# EAGLE board working (EAGLE 6.6.0), part 2 of 2
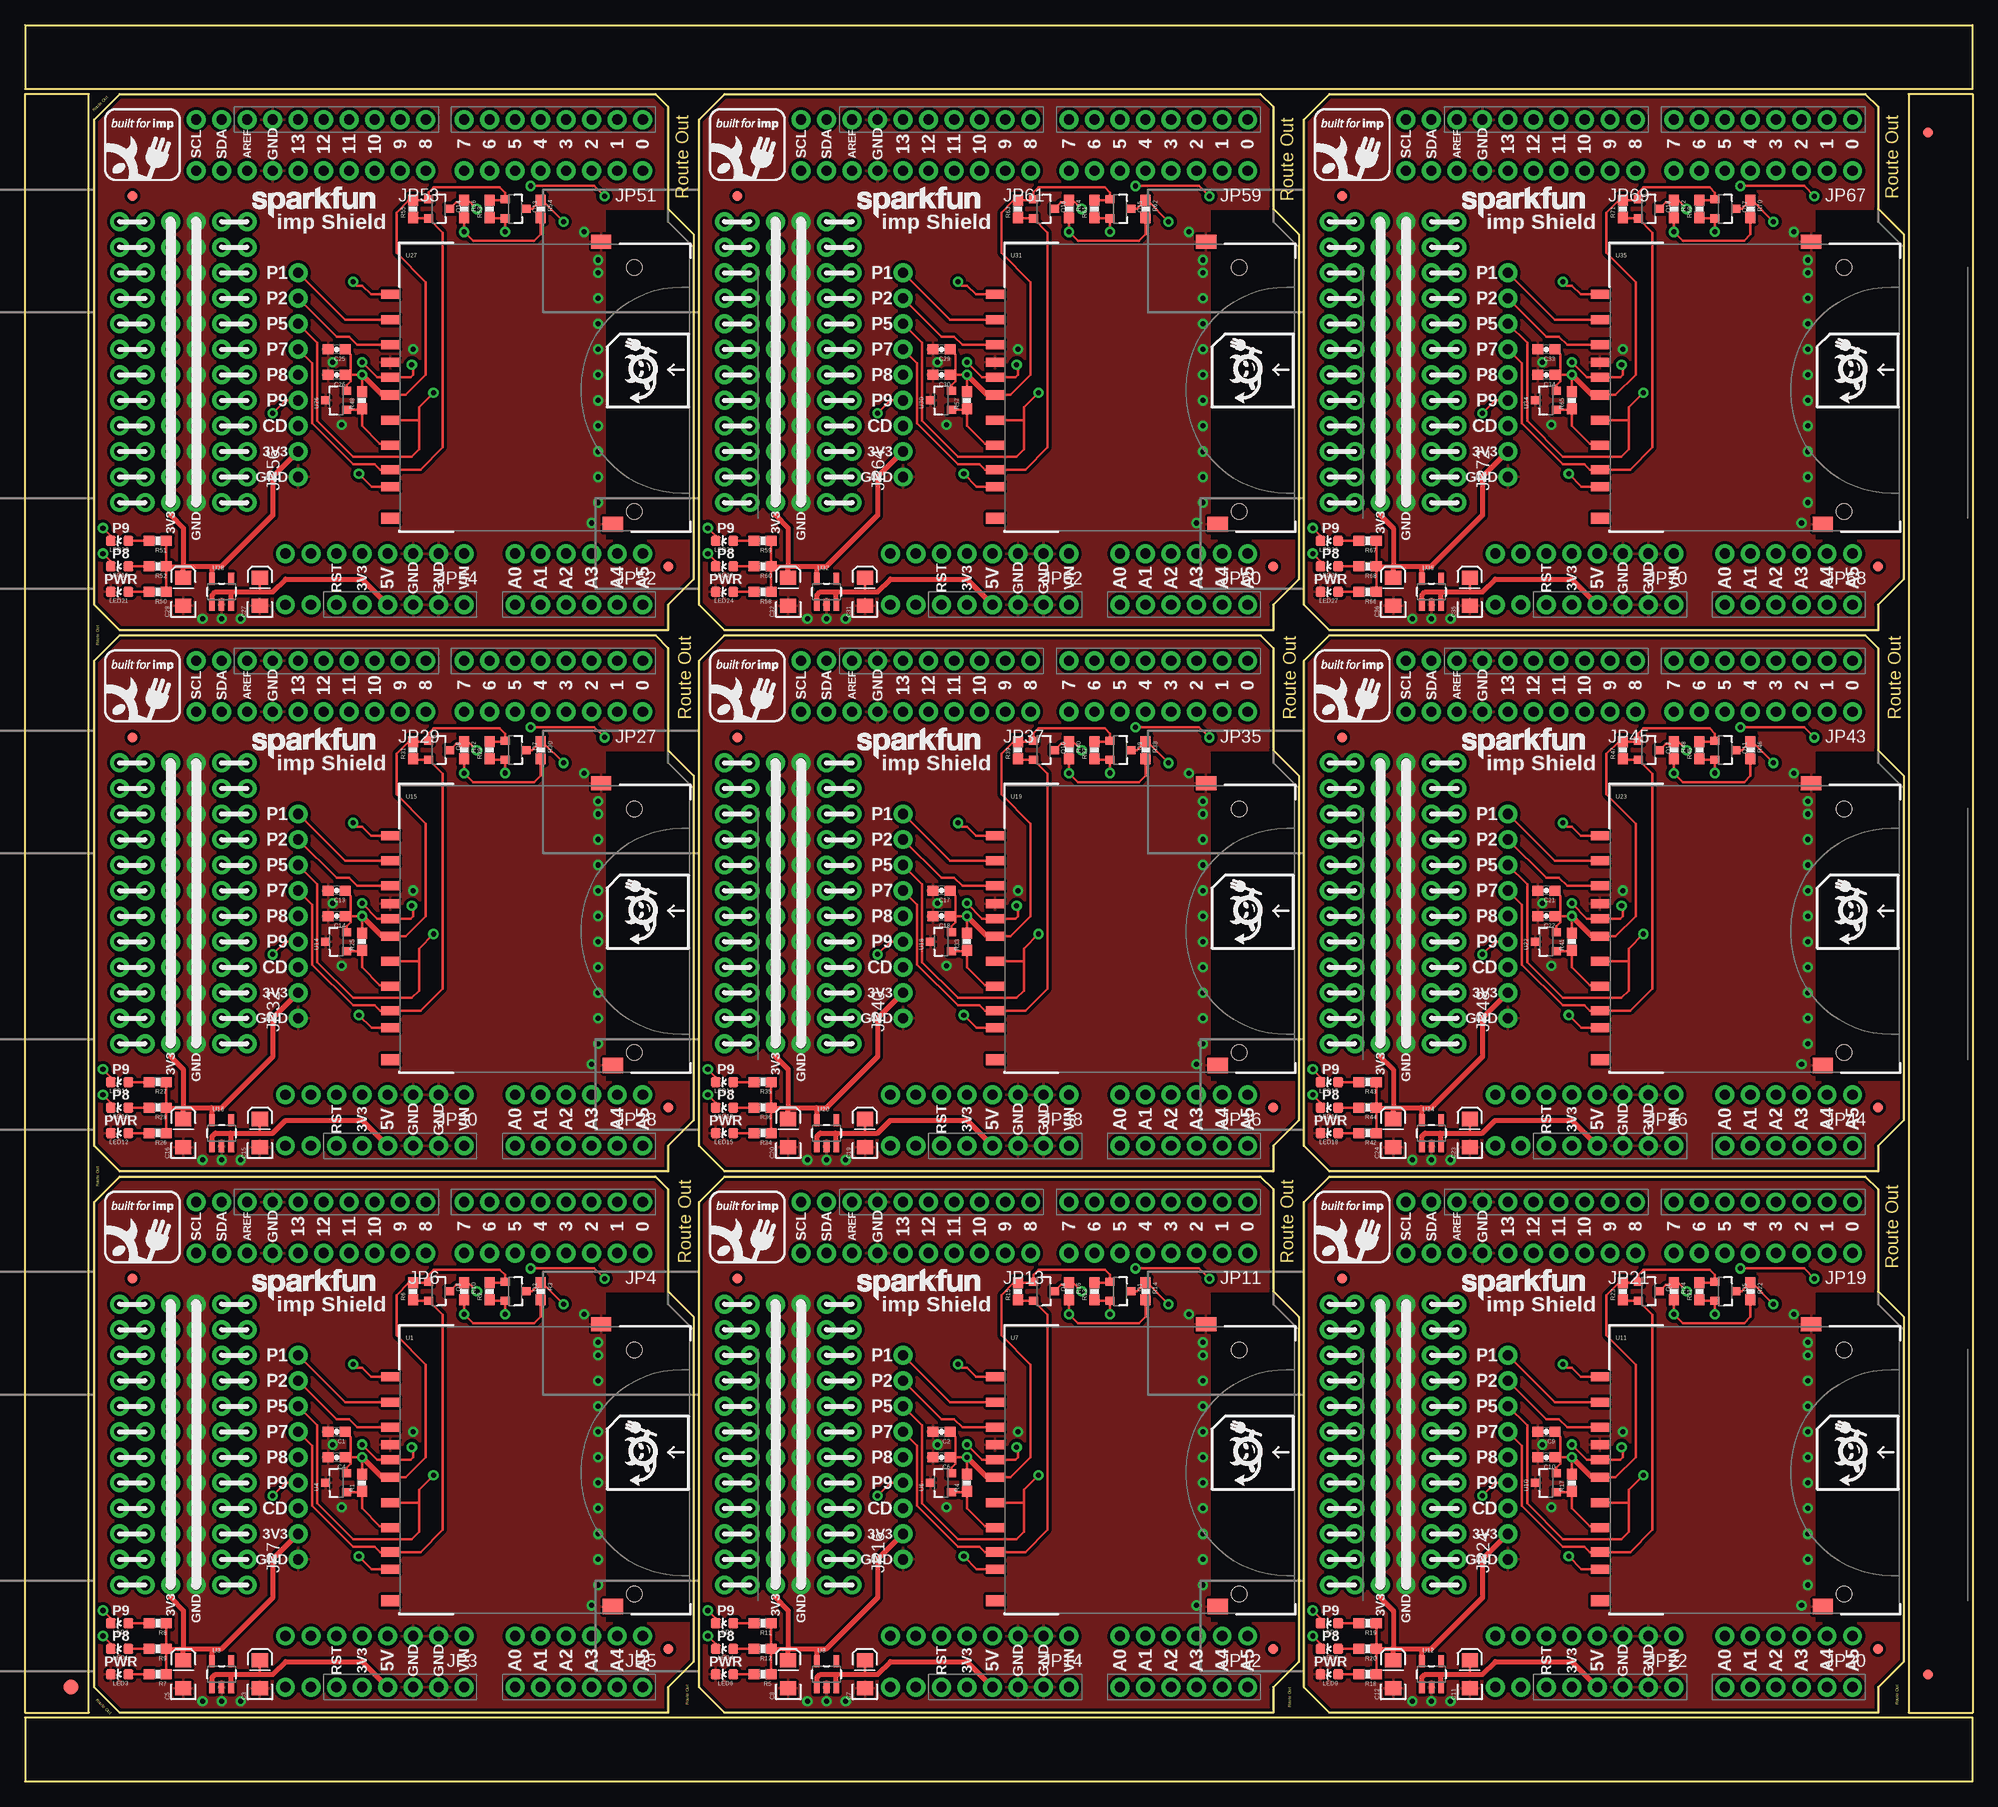
[diagram p0: board, top side]
## Tracks (layer width: path | path; a pad name or v marks a point on that pad's centre or on a via) (continued)
D41 (continued)
  Bottom 0.254: SJ11.3 181.48,50.93 181.86,51.31 JP19.1
  Bottom 0.406: JP19.1 U9.RX
D42
  Bottom 0.406: JP27.3 U13.D2
D43
  Bottom 0.406: JP27.4 U13.D3
D44
  Bottom 0.406: JP27.5 U13.D4
D45
  Bottom 0.406: JP27.6 U13.D5
D46
  Bottom 0.406: JP27.7 U13.D6
D47
  Bottom 0.406: JP27.8 U13.D7
D48  (via drill 0.51)
  Top 0.254: v50.29,104.9 56.64,104.9 v57.66,103.89
  Bottom 0.254: v50.29,104.9 41.4,104.9 JP29.1 | SJ16.1 v57.66,103.89
  Bottom 0.406: U13.D8 JP29.1
D49
  Bottom 0.254: SJ17.1 39.88,103.89 JP29.2
  Bottom 0.406: JP29.2 U13.D9
D50
  Bottom 0.406: JP29.3 U13.D10
D51
  Bottom 0.406: JP29.4 U13.D11
D52
  Bottom 0.406: JP29.5 U13.D12
D53
  Bottom 0.406: JP29.6 U13.D13
D54
  Bottom 0.254: SJ17.3 56.01,104.78 56.39,105.16 57.66,105.16 JP27.2
  Bottom 0.406: JP27.2 U13.TX
D55
  Bottom 0.254: SJ16.3 61.09,104.78 61.47,105.16 JP27.1
  Bottom 0.406: JP27.1 U13.RX
D56
  Bottom 0.406: JP35.3 U17.D2
D57
  Bottom 0.406: JP35.4 U17.D3
D58
  Bottom 0.406: JP35.5 U17.D4
D59
  Bottom 0.406: JP35.6 U17.D5
D60
  Bottom 0.406: JP35.7 U17.D6
D61
  Bottom 0.406: JP35.8 U17.D7
D62  (via drill 0.51)
  Top 0.254: v110.49,104.9 116.84,104.9 v117.86,103.89
  Bottom 0.254: v110.49,104.9 101.6,104.9 JP37.1 | SJ21.1 v117.86,103.89
  Bottom 0.406: U17.D8 JP37.1
D63
  Bottom 0.254: SJ22.1 100.08,103.89 JP37.2
  Bottom 0.406: JP37.2 U17.D9
D64
  Bottom 0.406: JP37.3 U17.D10
D65
  Bottom 0.406: JP37.4 U17.D11
D66
  Bottom 0.406: JP37.5 U17.D12
D67
  Bottom 0.406: JP37.6 U17.D13
D68
  Bottom 0.254: SJ22.3 116.2,104.78 116.59,105.16 117.86,105.16 JP35.2
  Bottom 0.406: JP35.2 U17.TX
D69
  Bottom 0.254: SJ21.3 121.28,104.78 121.67,105.16 JP35.1
  Bottom 0.406: JP35.1 U17.RX
D70
  Bottom 0.406: JP43.3 U21.D2
D71
  Bottom 0.406: JP43.4 U21.D3
D72
  Bottom 0.406: JP43.5 U21.D4
D73
  Bottom 0.406: JP43.6 U21.D5
D74
  Bottom 0.406: JP43.7 U21.D6
D75
  Bottom 0.406: JP43.8 U21.D7
D76  (via drill 0.51)
  Top 0.254: v170.69,104.9 177.04,104.9 v178.05,103.89
  Bottom 0.254: v170.69,104.9 161.8,104.9 JP45.1 | SJ26.1 v178.05,103.89
  Bottom 0.406: U21.D8 JP45.1
D77
  Bottom 0.254: SJ27.1 160.27,103.89 JP45.2
  Bottom 0.406: JP45.2 U21.D9
D78
  Bottom 0.406: JP45.3 U21.D10
D79
  Bottom 0.406: JP45.4 U21.D11
D80
  Bottom 0.406: JP45.5 U21.D12
D81
  Bottom 0.406: JP45.6 U21.D13
D82
  Bottom 0.254: SJ27.3 176.4,104.78 176.78,105.16 178.05,105.16 JP43.2
  Bottom 0.406: JP43.2 U21.TX
D83
  Bottom 0.254: SJ26.3 181.48,104.78 181.86,105.16 JP43.1
  Bottom 0.406: JP43.1 U21.RX
D84
  Bottom 0.406: JP51.3 U25.D2
D85
  Bottom 0.406: JP51.4 U25.D3
D86
  Bottom 0.406: JP51.5 U25.D4
D87
  Bottom 0.406: JP51.6 U25.D5
D88
  Bottom 0.406: JP51.7 U25.D6
D89
  Bottom 0.406: JP51.8 U25.D7
D90  (via drill 0.51)
  Top 0.254: v50.29,158.75 56.64,158.75 v57.66,157.73
  Bottom 0.254: v50.29,158.75 41.4,158.75 JP53.1 | SJ31.1 v57.66,157.73
  Bottom 0.406: U25.D8 JP53.1
D91
  Bottom 0.254: SJ32.1 39.88,157.73 JP53.2
  Bottom 0.406: JP53.2 U25.D9
D92
  Bottom 0.406: JP53.3 U25.D10
D93
  Bottom 0.406: JP53.4 U25.D11
D94
  Bottom 0.406: JP53.5 U25.D12
D95
  Bottom 0.406: JP53.6 U25.D13
D96
  Bottom 0.254: SJ32.3 56.01,158.62 56.39,159 57.66,159 JP51.2
  Bottom 0.406: JP51.2 U25.TX
D97
  Bottom 0.254: SJ31.3 61.09,158.62 61.47,159 JP51.1
  Bottom 0.406: JP51.1 U25.RX
D98
  Bottom 0.406: JP59.3 U29.D2
D99
  Bottom 0.406: JP59.4 U29.D3
D100
  Bottom 0.406: JP59.5 U29.D4
D101
  Bottom 0.406: JP59.6 U29.D5
D102
  Bottom 0.406: JP59.7 U29.D6
D103
  Bottom 0.406: JP59.8 U29.D7
D104  (via drill 0.51)
  Top 0.254: v110.49,158.75 116.84,158.75 v117.86,157.73
  Bottom 0.254: v110.49,158.75 101.6,158.75 JP61.1 | SJ36.1 v117.86,157.73
  Bottom 0.406: U29.D8 JP61.1
D105
  Bottom 0.254: SJ37.1 100.08,157.73 JP61.2
  Bottom 0.406: JP61.2 U29.D9
D106
  Bottom 0.406: JP61.3 U29.D10
D107
  Bottom 0.406: JP61.4 U29.D11
D108
  Bottom 0.406: JP61.5 U29.D12
D109
  Bottom 0.406: JP61.6 U29.D13
D110
  Bottom 0.254: SJ37.3 116.2,158.62 116.59,159 117.86,159 JP59.2
  Bottom 0.406: JP59.2 U29.TX
D111
  Bottom 0.254: SJ36.3 121.28,158.62 121.67,159 JP59.1
  Bottom 0.406: JP59.1 U29.RX
D112
  Bottom 0.406: JP67.3 U33.D2
D113
  Bottom 0.406: JP67.4 U33.D3
D114
  Bottom 0.406: JP67.5 U33.D4
D115
  Bottom 0.406: JP67.6 U33.D5
D116
  Bottom 0.406: JP67.7 U33.D6
D117
  Bottom 0.406: JP67.8 U33.D7
D118  (via drill 0.51)
  Top 0.254: v170.69,158.75 177.04,158.75 v178.05,157.73
  Bottom 0.254: v170.69,158.75 161.8,158.75 JP69.1 | SJ41.1 v178.05,157.73
  Bottom 0.406: U33.D8 JP69.1
D119
  Bottom 0.254: SJ42.1 160.27,157.73 JP69.2
  Bottom 0.406: JP69.2 U33.D9
D120
  Bottom 0.406: JP69.3 U33.D10
D121
  Bottom 0.406: JP69.4 U33.D11
D122
  Bottom 0.406: JP69.5 U33.D12
D123
  Bottom 0.406: JP69.6 U33.D13
D124
  Bottom 0.254: SJ42.3 176.4,158.62 176.78,159 178.05,159 JP67.2
  Bottom 0.406: JP67.2 U33.TX
D125
  Bottom 0.254: SJ41.3 181.48,158.62 181.86,159 JP67.1
  Bottom 0.406: JP67.1 U33.RX
GND  (via drill 0.51, 1.02 pad 1.88)
  other vias: 38.61,34.8 55.63,46.48 56.39,17.53 17.02,47.5 17.02,44.96 17.02,42.42 17.02,39.88 17.02,37.34 17.02,34.8 17.02,32.26 17.02,29.72 17.02,27.18 17.02,24.64 17.02,22.1 17.02,19.56 30.61,33.53 31.5,27.3 57.02,19.56 57.02,22.1 57.02,24.64 57.02,27.18 57.02,29.72 57.02,32.26 57.02,34.8 57.02,37.34 57.02,39.88 57.02,42.42 57.02,43.69 17.65,8 21.46,8 19.56,8
  pour Top (isolate 0.305): 6.86,60.2 6.86,6.86 66.55,6.86 66.55,15.75 57.66,15.75 57.66,48.77 66.55,48.77 66.55,60.2
  pour Bottom (isolate 0.305): 6.86,60.2 6.86,6.86 66.55,6.86 66.55,15.75 57.66,15.75 57.66,48.77 66.55,48.77 66.55,60.2
GND1  (via drill 0.51, 1.02 pad 1.88)
  other vias: 98.81,34.8 115.82,46.48 116.59,17.53 77.22,47.5 77.22,44.96 77.22,42.42 77.22,39.88 77.22,37.34 77.22,34.8 77.22,32.26 77.22,29.72 77.22,27.18 77.22,24.64 77.22,22.1 77.22,19.56 90.81,33.53 91.69,27.3 117.22,19.56 117.22,22.1 117.22,24.64 117.22,27.18 117.22,29.72 117.22,32.26 117.22,34.8 117.22,37.34 117.22,39.88 117.22,42.42 117.22,43.69 77.85,8 81.66,8 79.76,8
  pour Top (isolate 0.305): 67.06,60.2 67.06,6.86 126.75,6.86 126.75,15.75 117.86,15.75 117.86,48.77 126.75,48.77 126.75,60.2
  pour Bottom (isolate 0.305): 67.06,60.2 67.06,6.86 126.75,6.86 126.75,15.75 117.86,15.75 117.86,48.77 126.75,48.77 126.75,60.2
GND2  (via drill 0.51, 1.02 pad 1.88)
  other vias: 159,34.8 176.02,46.48 176.78,17.53 137.41,47.5 137.41,44.96 137.41,42.42 137.41,39.88 137.41,37.34 137.41,34.8 137.41,32.26 137.41,29.72 137.41,27.18 137.41,24.64 137.41,22.1 137.41,19.56 151,33.53 151.89,27.3 177.42,19.56 177.42,22.1 177.42,24.64 177.42,27.18 177.42,29.72 177.42,32.26 177.42,34.8 177.42,37.34 177.42,39.88 177.42,42.42 177.42,43.69 138.05,8 141.86,8 139.95,8
  pour Top (isolate 0.305): 127.25,60.2 127.25,6.86 186.94,6.86 186.94,15.75 178.05,15.75 178.05,48.77 186.94,48.77 186.94,60.2
  pour Bottom (isolate 0.305): 127.25,60.2 127.25,6.86 186.94,6.86 186.94,15.75 178.05,15.75 178.05,48.77 186.94,48.77 186.94,60.2
GND3  (via drill 0.51, 1.02 pad 1.88)
  other vias: 38.61,88.65 55.63,100.33 56.39,71.37 17.02,101.35 17.02,98.81 17.02,96.27 17.02,93.73 17.02,91.19 17.02,88.65 17.02,86.11 17.02,83.57 17.02,81.03 17.02,78.49 17.02,75.95 17.02,73.41 30.61,87.38 31.5,81.15 57.02,73.41 57.02,75.95 57.02,78.49 57.02,81.03 57.02,83.57 57.02,86.11 57.02,88.65 57.02,91.19 57.02,93.73 57.02,96.27 57.02,97.54 17.65,61.85 21.46,61.85 19.56,61.85
  pour Top (isolate 0.305): 6.86,114.05 6.86,60.71 66.55,60.71 66.55,69.6 57.66,69.6 57.66,102.62 66.55,102.62 66.55,114.05
  pour Bottom (isolate 0.305): 6.86,114.05 6.86,60.71 66.55,60.71 66.55,69.6 57.66,69.6 57.66,102.62 66.55,102.62 66.55,114.05
GND4  (via drill 0.51, 1.02 pad 1.88)
  other vias: 98.81,88.65 115.82,100.33 116.59,71.37 77.22,101.35 77.22,98.81 77.22,96.27 77.22,93.73 77.22,91.19 77.22,88.65 77.22,86.11 77.22,83.57 77.22,81.03 77.22,78.49 77.22,75.95 77.22,73.41 90.81,87.38 91.69,81.15 117.22,73.41 117.22,75.95 117.22,78.49 117.22,81.03 117.22,83.57 117.22,86.11 117.22,88.65 117.22,91.19 117.22,93.73 117.22,96.27 117.22,97.54 77.85,61.85 81.66,61.85 79.76,61.85
  pour Top (isolate 0.305): 67.06,114.05 67.06,60.71 126.75,60.71 126.75,69.6 117.86,69.6 117.86,102.62 126.75,102.62 126.75,114.05
  pour Bottom (isolate 0.305): 67.06,114.05 67.06,60.71 126.75,60.71 126.75,69.6 117.86,69.6 117.86,102.62 126.75,102.62 126.75,114.05
GND5  (via drill 0.51, 1.02 pad 1.88)
  other vias: 159,88.65 176.02,100.33 176.78,71.37 137.41,101.35 137.41,98.81 137.41,96.27 137.41,93.73 137.41,91.19 137.41,88.65 137.41,86.11 137.41,83.57 137.41,81.03 137.41,78.49 137.41,75.95 137.41,73.41 151,87.38 151.89,81.15 177.42,73.41 177.42,75.95 177.42,78.49 177.42,81.03 177.42,83.57 177.42,86.11 177.42,88.65 177.42,91.19 177.42,93.73 177.42,96.27 177.42,97.54 138.05,61.85 141.86,61.85 139.95,61.85
  pour Top (isolate 0.305): 127.25,114.05 127.25,60.71 186.94,60.71 186.94,69.6 178.05,69.6 178.05,102.62 186.94,102.62 186.94,114.05
  pour Bottom (isolate 0.305): 127.25,114.05 127.25,60.71 186.94,60.71 186.94,69.6 178.05,69.6 178.05,102.62 186.94,102.62 186.94,114.05
GND6  (via drill 0.51, 1.02 pad 1.88)
  other vias: 38.61,142.49 55.63,154.18 56.39,125.22 17.02,155.19 17.02,152.65 17.02,150.11 17.02,147.57 17.02,145.03 17.02,142.49 17.02,139.95 17.02,137.41 17.02,134.87 17.02,132.33 17.02,129.79 17.02,127.25 30.61,141.22 31.5,135 57.02,127.25 57.02,129.79 57.02,132.33 57.02,134.87 57.02,137.41 57.02,139.95 57.02,142.49 57.02,145.03 57.02,147.57 57.02,150.11 57.02,151.38 17.65,115.7 21.46,115.7 19.56,115.7
  pour Top (isolate 0.305): 6.86,167.89 6.86,114.55 66.55,114.55 66.55,123.44 57.66,123.44 57.66,156.46 66.55,156.46 66.55,167.89
  pour Bottom (isolate 0.305): 6.86,167.89 6.86,114.55 66.55,114.55 66.55,123.44 57.66,123.44 57.66,156.46 66.55,156.46 66.55,167.89
GND7  (via drill 0.51, 1.02 pad 1.88)
  other vias: 98.81,142.49 115.82,154.18 116.59,125.22 77.22,155.19 77.22,152.65 77.22,150.11 77.22,147.57 77.22,145.03 77.22,142.49 77.22,139.95 77.22,137.41 77.22,134.87 77.22,132.33 77.22,129.79 77.22,127.25 90.81,141.22 91.69,135 117.22,127.25 117.22,129.79 117.22,132.33 117.22,134.87 117.22,137.41 117.22,139.95 117.22,142.49 117.22,145.03 117.22,147.57 117.22,150.11 117.22,151.38 77.85,115.7 81.66,115.7 79.76,115.7
  pour Top (isolate 0.305): 67.06,167.89 67.06,114.55 126.75,114.55 126.75,123.44 117.86,123.44 117.86,156.46 126.75,156.46 126.75,167.89
  pour Bottom (isolate 0.305): 67.06,167.89 67.06,114.55 126.75,114.55 126.75,123.44 117.86,123.44 117.86,156.46 126.75,156.46 126.75,167.89
GND8  (via drill 0.51, 1.02 pad 1.88)
  other vias: 159,142.49 176.02,154.18 176.78,125.22 137.41,155.19 137.41,152.65 137.41,150.11 137.41,147.57 137.41,145.03 137.41,142.49 137.41,139.95 137.41,137.41 137.41,134.87 137.41,132.33 137.41,129.79 137.41,127.25 151,141.22 151.89,135 177.42,127.25 177.42,129.79 177.42,132.33 177.42,134.87 177.42,137.41 177.42,139.95 177.42,142.49 177.42,145.03 177.42,147.57 177.42,150.11 177.42,151.38 138.05,115.7 141.86,115.7 139.95,115.7
  pour Top (isolate 0.305): 127.25,167.89 127.25,114.55 186.94,114.55 186.94,123.44 178.05,123.44 178.05,156.46 186.94,156.46 186.94,167.89
  pour Bottom (isolate 0.305): 127.25,167.89 127.25,114.55 186.94,114.55 186.94,123.44 178.05,123.44 178.05,156.46 186.94,156.46 186.94,167.89
LINK  (via drill 0.51)
  Top 0.254: LED2.C 8.52,16.24 v7.75,17.02
  Bottom 0.254: SJ5.2 9.02,15.75 v7.75,17.02
LINK1  (via drill 0.51)
  Top 0.254: LED5.C 68.72,16.24 v67.94,17.02
  Bottom 0.254: SJ10.2 69.22,15.75 v67.94,17.02
LINK2  (via drill 0.51)
  Top 0.254: LED8.C 128.92,16.24 v128.14,17.02
  Bottom 0.254: SJ15.2 129.41,15.75 v128.14,17.02
LINK3  (via drill 0.51)
  Top 0.254: LED11.C 8.52,70.09 v7.75,70.87
  Bottom 0.254: SJ20.2 9.02,69.6 v7.75,70.87
LINK4  (via drill 0.51)
  Top 0.254: LED14.C 68.72,70.09 v67.94,70.87
  Bottom 0.254: SJ25.2 69.22,69.6 v67.94,70.87
LINK5  (via drill 0.51)
  Top 0.254: LED17.C 128.92,70.09 v128.14,70.87
  Bottom 0.254: SJ30.2 129.41,69.6 v128.14,70.87
LINK6  (via drill 0.51)
  Top 0.254: LED20.C 8.52,123.94 v7.75,124.71
  Bottom 0.254: SJ35.2 9.02,123.44 v7.75,124.71
LINK7  (via drill 0.51)
  Top 0.254: LED23.C 68.72,123.94 v67.94,124.71
  Bottom 0.254: SJ40.2 69.22,123.44 v67.94,124.71
LINK8  (via drill 0.51)
  Top 0.254: LED26.C 128.92,123.94 v128.14,124.71
  Bottom 0.254: SJ45.2 129.41,123.44 v128.14,124.71
N$1
  Top 0.254: U7.6 96.39,25.4 95.5,25.4 93.73,27.18 R4.1 93.63,28.77 U6.1
N$2
  Top 0.254: U1.6 36.2,25.4 35.31,25.4 33.53,27.18 R1.1 33.43,28.77 U4.1
N$3
  Bottom 0.406: JP9.2 JP14.8
N$4
  Bottom 0.406: JP9.1 JP14.7
N$5  (via drill 1.02 pad 1.88)
  Bottom 0.254: v79.76,19.56 v82.3,19.56
N$6  (via drill 1.02 pad 1.88)
  Bottom 0.254: v72.14,19.56 v69.6,19.56
N$7
  Top 0.254: R5.2 LED6.A
N$8
  Top 0.254: R11.2 LED5.A
N$9
  Top 0.254: R12.2 LED4.A
N$10
  Bottom 0.406: JP2.2 JP3.8
N$11
  Bottom 0.406: JP2.1 JP3.7
N$12
  Top 0.254: R7.2 LED3.A
N$13
  Top 0.254: R8.2 LED2.A
N$14
  Top 0.254: R9.2 LED1.A
N$15  (via drill 1.02 pad 1.88)
  Bottom 0.254: v19.56,22.1 v22.1,22.1
N$16  (via drill 1.02 pad 1.88)
  Bottom 0.254: v72.14,47.5 v69.6,47.5
N$17  (via drill 1.02 pad 1.88)
  Bottom 0.254: v19.56,19.56 v22.1,19.56
N$18  (via drill 1.02 pad 1.88)
  Bottom 0.254: v79.76,47.5 v82.3,47.5
N$19  (via drill 1.02 pad 1.88)
  Bottom 0.254: v79.76,22.1 v82.3,22.1
N$20  (via drill 1.02 pad 1.88)
  Bottom 0.254: v72.14,22.1 v69.6,22.1
N$21  (via drill 1.02 pad 1.88)
  Bottom 0.254: v79.76,24.64 v82.3,24.64
N$22  (via drill 1.02 pad 1.88)
  Bottom 0.254: v11.94,19.56 v9.4,19.56
N$23  (via drill 1.02 pad 1.88)
  Bottom 0.254: v72.14,24.64 v69.6,24.64
N$24  (via drill 1.02 pad 1.88)
  Bottom 0.254: v19.56,24.64 v22.1,24.64
N$25  (via drill 1.02 pad 1.88)
  Bottom 0.254: v79.76,27.18 v82.3,27.18
N$26  (via drill 1.02 pad 1.88)
  Bottom 0.254: v72.14,27.18 v69.6,27.18
N$27  (via drill 1.02 pad 1.88)
  Bottom 0.254: v79.76,29.72 v82.3,29.72
N$28  (via drill 1.02 pad 1.88)
  Bottom 0.254: v72.14,29.72 v69.6,29.72
N$29  (via drill 1.02 pad 1.88)
  Bottom 0.254: v11.94,24.64 v9.4,24.64
N$30  (via drill 1.02 pad 1.88)
  Bottom 0.254: v79.76,32.26 v82.3,32.26
N$31  (via drill 1.02 pad 1.88)
  Bottom 0.254: v11.94,47.5 v9.4,47.5
N$32  (via drill 1.02 pad 1.88)
  Bottom 0.254: v72.14,32.26 v69.6,32.26
N$33  (via drill 1.02 pad 1.88)
  Bottom 0.254: v82.3,34.8 v79.76,34.8
N$34  (via drill 1.02 pad 1.88)
  Bottom 0.254: v72.14,34.8 v69.6,34.8
N$35  (via drill 1.02 pad 1.88)
  Bottom 0.254: v79.76,37.34 v82.3,37.34
N$36  (via drill 1.02 pad 1.88)
  Bottom 0.254: v19.56,47.5 v22.1,47.5
N$37  (via drill 1.02 pad 1.88)
  Bottom 0.254: v72.14,37.34 v69.6,37.34
N$38  (via drill 1.02 pad 1.88)
  Bottom 0.254: v79.76,39.88 v82.3,39.88
N$39  (via drill 1.02 pad 1.88)
  Bottom 0.254: v72.14,39.88 v69.6,39.88
N$40  (via drill 1.02 pad 1.88)
  Bottom 0.254: v19.56,27.18 v22.1,27.18
N$41  (via drill 1.02 pad 1.88)
  Bottom 0.254: v79.76,42.42 v82.3,42.42
N$42  (via drill 1.02 pad 1.88)
  Bottom 0.254: v72.14,42.42 v69.6,42.42
N$43  (via drill 1.02 pad 1.88)
  Bottom 0.254: v72.14,44.96 v69.6,44.96
N$44  (via drill 1.02 pad 1.88)
  Bottom 0.254: v79.76,44.96 v82.3,44.96
N$45  (via drill 1.02 pad 1.88)
  Bottom 0.254: v11.94,27.18 v9.4,27.18
N$46
  Bottom 0.254: 115.32,50.04 114.43,50.04
N$47
  Bottom 0.254: 120.4,50.04 119.51,50.04
N$48  (via drill 1.02 pad 1.88)
  Bottom 0.254: v19.56,29.72 v22.1,29.72
N$49  (via drill 1.02 pad 1.88)
  Bottom 0.254: v11.94,22.1 v9.4,22.1
N$50
  Top 0.254: U11.6 156.59,25.4 155.7,25.4 153.92,27.18 R17.1 153.82,28.77 U10.1
N$51
  Bottom 0.406: JP18.2 JP22.8
N$52
  Bottom 0.406: JP18.1 JP22.7
N$53  (via drill 1.02 pad 1.88)
  Bottom 0.254: v139.95,19.56 v142.49,19.56
N$54  (via drill 1.02 pad 1.88)
  Bottom 0.254: v132.33,19.56 v129.79,19.56
N$55  (via drill 1.02 pad 1.88)
  Bottom 0.254: v11.94,29.72 v9.4,29.72
N$56  (via drill 1.02 pad 1.88)
  Bottom 0.254: v19.56,32.26 v22.1,32.26
N$57
  Top 0.254: R18.2 LED9.A
N$58
  Top 0.254: R19.2 LED8.A
N$59
  Top 0.254: R20.2 LED7.A
N$60  (via drill 1.02 pad 1.88)
  Bottom 0.254: v132.33,47.5 v129.79,47.5
N$61  (via drill 1.02 pad 1.88)
  Bottom 0.254: v11.94,32.26 v9.4,32.26
N$62  (via drill 1.02 pad 1.88)
  Bottom 0.254: v139.95,47.5 v142.49,47.5
N$63  (via drill 1.02 pad 1.88)
  Bottom 0.254: v139.95,22.1 v142.49,22.1
N$64  (via drill 1.02 pad 1.88)
  Bottom 0.254: v22.1,34.8 v19.56,34.8
N$65  (via drill 1.02 pad 1.88)
  Bottom 0.254: v132.33,22.1 v129.79,22.1
N$66  (via drill 1.02 pad 1.88)
  Bottom 0.254: v139.95,24.64 v142.49,24.64
N$67  (via drill 1.02 pad 1.88)
  Bottom 0.254: v132.33,24.64 v129.79,24.64
N$68  (via drill 1.02 pad 1.88)
  Bottom 0.254: v139.95,27.18 v142.49,27.18
N$69  (via drill 1.02 pad 1.88)
  Bottom 0.254: v11.94,34.8 v9.4,34.8
N$70  (via drill 1.02 pad 1.88)
  Bottom 0.254: v19.56,37.34 v22.1,37.34
N$71  (via drill 1.02 pad 1.88)
  Bottom 0.254: v132.33,27.18 v129.79,27.18
N$72  (via drill 1.02 pad 1.88)
  Bottom 0.254: v139.95,29.72 v142.49,29.72
N$73  (via drill 1.02 pad 1.88)
  Bottom 0.254: v132.33,29.72 v129.79,29.72
N$74  (via drill 1.02 pad 1.88)
  Bottom 0.254: v139.95,32.26 v142.49,32.26
N$75  (via drill 1.02 pad 1.88)
  Bottom 0.254: v11.94,37.34 v9.4,37.34
N$76  (via drill 1.02 pad 1.88)
  Bottom 0.254: v132.33,32.26 v129.79,32.26
N$77  (via drill 1.02 pad 1.88)
  Bottom 0.254: v142.49,34.8 v139.95,34.8
N$78  (via drill 1.02 pad 1.88)
  Bottom 0.254: v19.56,39.88 v22.1,39.88
N$79  (via drill 1.02 pad 1.88)
  Bottom 0.254: v132.33,34.8 v129.79,34.8
N$80  (via drill 1.02 pad 1.88)
  Bottom 0.254: v139.95,37.34 v142.49,37.34
N$81  (via drill 1.02 pad 1.88)
  Bottom 0.254: v132.33,37.34 v129.79,37.34
N$82  (via drill 1.02 pad 1.88)
  Bottom 0.254: v139.95,39.88 v142.49,39.88
N$83  (via drill 1.02 pad 1.88)
  Bottom 0.254: v11.94,39.88 v9.4,39.88
N$84  (via drill 1.02 pad 1.88)
  Bottom 0.254: v19.56,42.42 v22.1,42.42
N$85  (via drill 1.02 pad 1.88)
  Bottom 0.254: v132.33,39.88 v129.79,39.88
N$86  (via drill 1.02 pad 1.88)
  Bottom 0.254: v139.95,42.42 v142.49,42.42
N$87  (via drill 1.02 pad 1.88)
  Bottom 0.254: v132.33,42.42 v129.79,42.42
N$88  (via drill 1.02 pad 1.88)
  Bottom 0.254: v132.33,44.96 v129.79,44.96
N$89  (via drill 1.02 pad 1.88)
  Bottom 0.254: v11.94,42.42 v9.4,42.42
N$90  (via drill 1.02 pad 1.88)
  Bottom 0.254: v139.95,44.96 v142.49,44.96
N$91
  Bottom 0.254: 175.51,50.04 174.62,50.04
N$92  (via drill 1.02 pad 1.88)
  Bottom 0.254: v11.94,44.96 v9.4,44.96
N$93
  Bottom 0.254: 180.59,50.04 179.71,50.04
N$94
  Top 0.254: U15.6 36.2,79.25 35.31,79.25 33.53,81.03 R25.1 33.43,82.62 U14.1
N$95
  Bottom 0.406: JP26.2 JP30.8
N$96
  Bottom 0.406: JP26.1 JP30.7
N$97  (via drill 1.02 pad 1.88)
  Bottom 0.254: v19.56,44.96 v22.1,44.96
N$98  (via drill 1.02 pad 1.88)
  Bottom 0.254: v19.56,73.41 v22.1,73.41
N$99
  Bottom 0.254: 55.12,50.04 54.23,50.04
N$100
  Bottom 0.254: 60.2,50.04 59.31,50.04
N$101  (via drill 1.02 pad 1.88)
  Bottom 0.254: v11.94,73.41 v9.4,73.41
N$102
  Top 0.254: R26.2 LED12.A
N$103
  Top 0.254: R27.2 LED11.A
N$104
  Top 0.254: R28.2 LED10.A
N$105  (via drill 1.02 pad 1.88)
  Bottom 0.254: v11.94,101.35 v9.4,101.35
N$106  (via drill 1.02 pad 1.88)
  Bottom 0.254: v19.56,101.35 v22.1,101.35
N$107  (via drill 1.02 pad 1.88)
  Bottom 0.254: v19.56,75.95 v22.1,75.95
N$108  (via drill 1.02 pad 1.88)
  Bottom 0.254: v11.94,75.95 v9.4,75.95
N$109  (via drill 1.02 pad 1.88)
  Bottom 0.254: v19.56,78.49 v22.1,78.49
N$110  (via drill 1.02 pad 1.88)
  Bottom 0.254: v11.94,78.49 v9.4,78.49
N$111  (via drill 1.02 pad 1.88)
  Bottom 0.254: v19.56,81.03 v22.1,81.03
N$112  (via drill 1.02 pad 1.88)
  Bottom 0.254: v11.94,81.03 v9.4,81.03
N$113  (via drill 1.02 pad 1.88)
  Bottom 0.254: v19.56,83.57 v22.1,83.57
N$114  (via drill 1.02 pad 1.88)
  Bottom 0.254: v11.94,83.57 v9.4,83.57
N$115  (via drill 1.02 pad 1.88)
  Bottom 0.254: v19.56,86.11 v22.1,86.11
N$116  (via drill 1.02 pad 1.88)
  Bottom 0.254: v11.94,86.11 v9.4,86.11
N$117  (via drill 1.02 pad 1.88)
  Bottom 0.254: v22.1,88.65 v19.56,88.65
N$118  (via drill 1.02 pad 1.88)
  Bottom 0.254: v11.94,88.65 v9.4,88.65
N$119  (via drill 1.02 pad 1.88)
  Bottom 0.254: v19.56,91.19 v22.1,91.19
N$120  (via drill 1.02 pad 1.88)
  Bottom 0.254: v11.94,91.19 v9.4,91.19
N$121  (via drill 1.02 pad 1.88)
  Bottom 0.254: v19.56,93.73 v22.1,93.73
N$122  (via drill 1.02 pad 1.88)
  Bottom 0.254: v11.94,93.73 v9.4,93.73
N$123  (via drill 1.02 pad 1.88)
  Bottom 0.254: v19.56,96.27 v22.1,96.27
N$124  (via drill 1.02 pad 1.88)
  Bottom 0.254: v11.94,96.27 v9.4,96.27
N$125  (via drill 1.02 pad 1.88)
  Bottom 0.254: v11.94,98.81 v9.4,98.81
N$126  (via drill 1.02 pad 1.88)
  Bottom 0.254: v19.56,98.81 v22.1,98.81
N$127
  Bottom 0.254: 55.12,103.89 54.23,103.89
N$128
  Bottom 0.254: 60.2,103.89 59.31,103.89
N$129
  Top 0.254: U19.6 96.39,79.25 95.5,79.25 93.73,81.03 R33.1 93.63,82.62 U18.1
N$130
  Bottom 0.406: JP34.2 JP38.8
N$131
  Bottom 0.406: JP34.1 JP38.7
N$132  (via drill 1.02 pad 1.88)
  Bottom 0.254: v79.76,73.41 v82.3,73.41
N$133  (via drill 1.02 pad 1.88)
  Bottom 0.254: v72.14,73.41 v69.6,73.41
N$134
  Top 0.254: R34.2 LED15.A
N$135
  Top 0.254: R35.2 LED14.A
N$136
  Top 0.254: R36.2 LED13.A
N$137  (via drill 1.02 pad 1.88)
  Bottom 0.254: v72.14,101.35 v69.6,101.35
N$138  (via drill 1.02 pad 1.88)
  Bottom 0.254: v79.76,101.35 v82.3,101.35
N$139  (via drill 1.02 pad 1.88)
  Bottom 0.254: v79.76,75.95 v82.3,75.95
N$140  (via drill 1.02 pad 1.88)
  Bottom 0.254: v72.14,75.95 v69.6,75.95
N$141  (via drill 1.02 pad 1.88)
  Bottom 0.254: v79.76,78.49 v82.3,78.49
N$142  (via drill 1.02 pad 1.88)
  Bottom 0.254: v72.14,78.49 v69.6,78.49
N$143  (via drill 1.02 pad 1.88)
  Bottom 0.254: v79.76,81.03 v82.3,81.03
N$144  (via drill 1.02 pad 1.88)
  Bottom 0.254: v72.14,81.03 v69.6,81.03
N$145  (via drill 1.02 pad 1.88)
  Bottom 0.254: v79.76,83.57 v82.3,83.57
N$146  (via drill 1.02 pad 1.88)
  Bottom 0.254: v72.14,83.57 v69.6,83.57
N$147  (via drill 1.02 pad 1.88)
  Bottom 0.254: v79.76,86.11 v82.3,86.11
N$148  (via drill 1.02 pad 1.88)
  Bottom 0.254: v72.14,86.11 v69.6,86.11
N$149  (via drill 1.02 pad 1.88)
  Bottom 0.254: v82.3,88.65 v79.76,88.65
N$150  (via drill 1.02 pad 1.88)
  Bottom 0.254: v72.14,88.65 v69.6,88.65
N$151  (via drill 1.02 pad 1.88)
  Bottom 0.254: v79.76,91.19 v82.3,91.19
N$152  (via drill 1.02 pad 1.88)
  Bottom 0.254: v72.14,91.19 v69.6,91.19
N$153  (via drill 1.02 pad 1.88)
  Bottom 0.254: v79.76,93.73 v82.3,93.73
N$154  (via drill 1.02 pad 1.88)
  Bottom 0.254: v72.14,93.73 v69.6,93.73
N$155  (via drill 1.02 pad 1.88)
  Bottom 0.254: v79.76,96.27 v82.3,96.27
N$156  (via drill 1.02 pad 1.88)
  Bottom 0.254: v72.14,96.27 v69.6,96.27
N$157  (via drill 1.02 pad 1.88)
  Bottom 0.254: v72.14,98.81 v69.6,98.81
N$158  (via drill 1.02 pad 1.88)
  Bottom 0.254: v79.76,98.81 v82.3,98.81
N$159
  Bottom 0.254: 115.32,103.89 114.43,103.89
N$160
  Bottom 0.254: 120.4,103.89 119.51,103.89
N$161
  Top 0.254: U23.6 156.59,79.25 155.7,79.25 153.92,81.03 R41.1 153.82,82.62 U22.1
N$162
  Bottom 0.406: JP42.2 JP46.8
N$163
  Bottom 0.406: JP42.1 JP46.7
N$164  (via drill 1.02 pad 1.88)
  Bottom 0.254: v139.95,73.41 v142.49,73.41
N$165  (via drill 1.02 pad 1.88)
  Bottom 0.254: v132.33,73.41 v129.79,73.41
N$166
  Top 0.254: R42.2 LED18.A
N$167
  Top 0.254: R43.2 LED17.A
N$168
  Top 0.254: R44.2 LED16.A
N$169  (via drill 1.02 pad 1.88)
  Bottom 0.254: v132.33,101.35 v129.79,101.35
N$170  (via drill 1.02 pad 1.88)
  Bottom 0.254: v139.95,101.35 v142.49,101.35
N$171  (via drill 1.02 pad 1.88)
  Bottom 0.254: v139.95,75.95 v142.49,75.95
N$172  (via drill 1.02 pad 1.88)
  Bottom 0.254: v132.33,75.95 v129.79,75.95
N$173  (via drill 1.02 pad 1.88)
  Bottom 0.254: v139.95,78.49 v142.49,78.49
N$174  (via drill 1.02 pad 1.88)
  Bottom 0.254: v132.33,78.49 v129.79,78.49
N$175  (via drill 1.02 pad 1.88)
  Bottom 0.254: v139.95,81.03 v142.49,81.03
N$176  (via drill 1.02 pad 1.88)
  Bottom 0.254: v132.33,81.03 v129.79,81.03
N$177  (via drill 1.02 pad 1.88)
  Bottom 0.254: v139.95,83.57 v142.49,83.57